# Altium PCB BPod Panel Due.PcbDoc (part 4 of 5)
Units mm, origin at the board's own origin, x right, y up, seen from the top; angles counter-clockwise.
Board outline 420 x 122 mm, 4 copper layers (Top Layer, Layer 2, Layer 3, Bottom Layer), stack 1.571 mm thick; 601 components, 454 nets, 1970 pads, 528 vias.
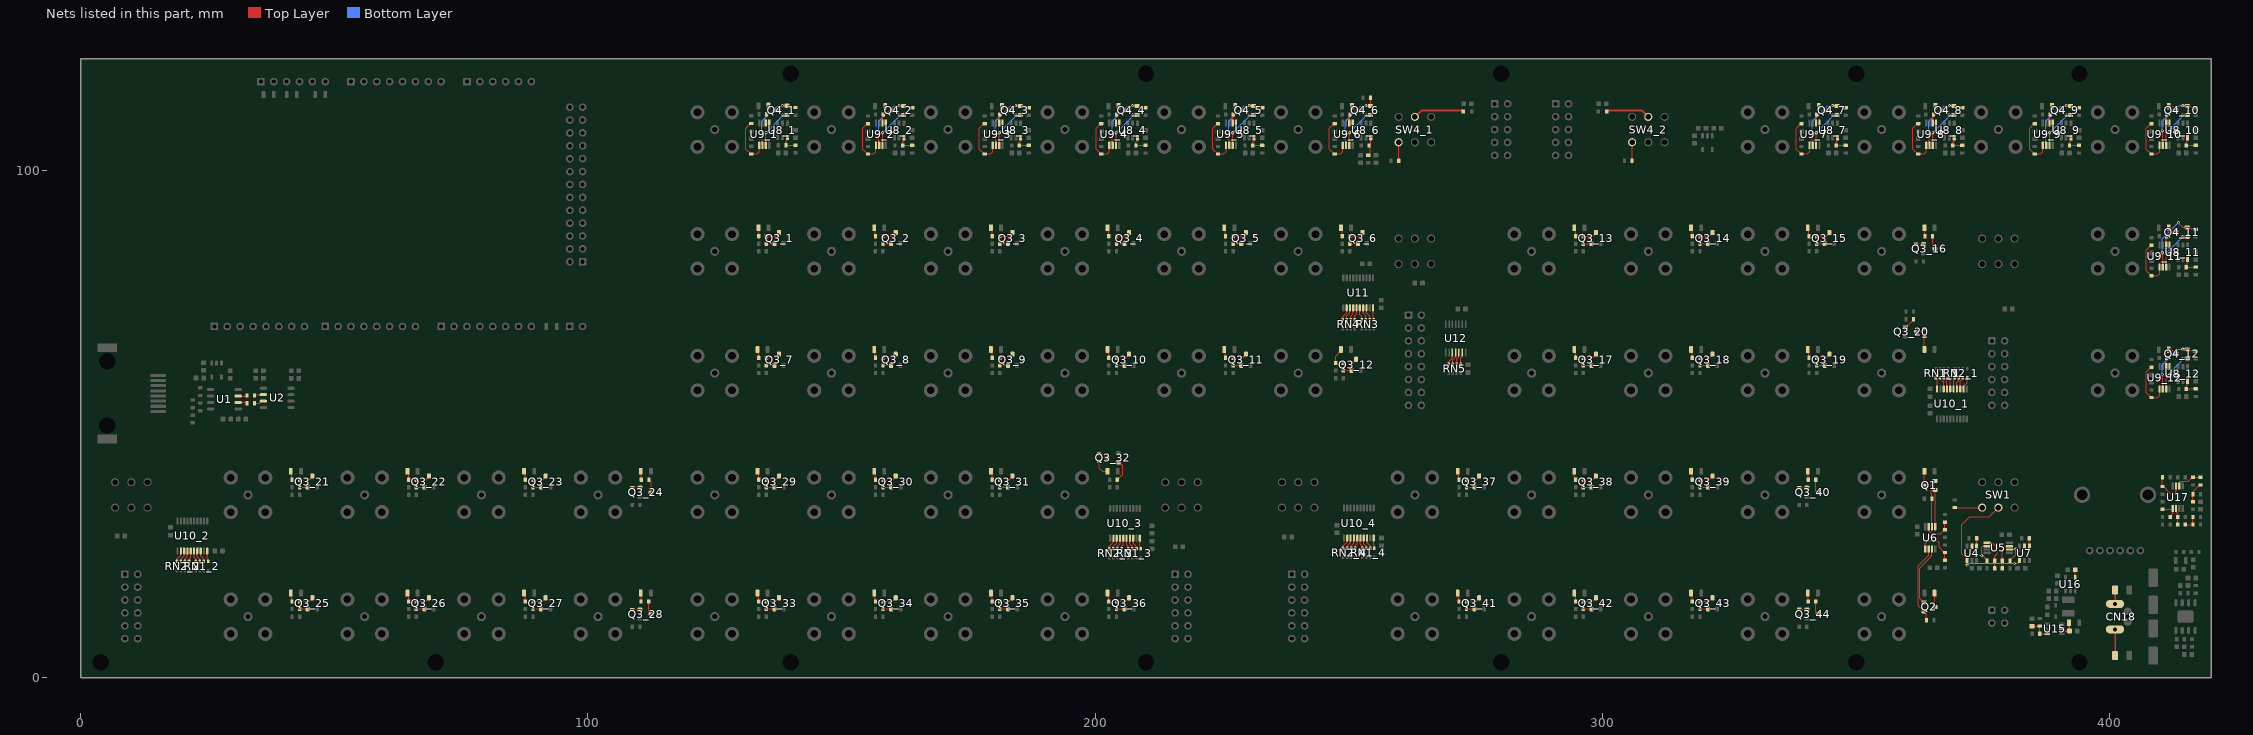
[diagram p6: the nets of this part, all layers, seen from the top]

## Via types
v1: diameter 0.61, hole 0.305, Top Layer to Bottom Layer, tented both sides, 522 vias
v2: diameter 0.5, hole 0.2, Top Layer to Bottom Layer, tented bottom, 6 vias

## Nets (pads, with @x,y where several pads share a name; then routed paths per layer and width w, separated by ;. In a path a pad name is that pad's centre, name@x,y a point inside that pad or via, vN(x,y) a via of type N, cw(c..) or ccw(c..) an arc to the next point about the centre after c; other vN are vias at no path point) (continued)
NetC44_1: C44.1 R39.1 R40.2 U15.3 | length 4.5
  Top Layer w0.152: C44.1@384.65,10.125 384.675,10.15 R39.1@386.15,10.15 R40.2@386.15,8.65 U15.3@387.658,8.65
NetC47_2: C47.2 U16.4 | length 1.5
  Top Layer w0.152: U16.4@393.15,19.75 C47.2@393.15,21.25
NetC48_2: C48.2 FB2.2 U15.5 | length 3.4
  Top Layer w0.305: U15.5@390.508,9.6 390.733,9.6 391.183,9.15 C48.2@392.025,9.15 391.947,9.228 391.947,10.778 FB2.2@391.925,10.8
NetCN18_2: CN18.2 R32.2 | length 5.2
  Top Layer w0.254: R32.2@401,4.325 CN18.2@401,9.5
NetCN18_3: CN18.3 R36.2 | length 2.8
  Top Layer w0.254: CN18.3@401,14.5 R36.2@401,17.275 R36.2@401,17.325
NetFB1_1_1: FB1_1.1 SW4_1.5 | length 10.1
  Top Layer w0.381: SW4_1.5@263,110.5 264.25,111.75 272.391,111.75 272.525,111.615 FB1_1.1@272.525,111.575
NetFB1_2_1: FB1_2.1 SW4_2.5 | length 8.8
  Top Layer w0.381: FB1_2.1@300.825,111.58 300.825,111.641 300.96,111.775 307.725,111.775 SW4_2.5@309,110.5
NetLED1_1: LED1.1 Q1.3 | length 2.8
  Top Layer w0.152: Q1.3@363.325,37.875 363.384,37.934 363.384,40.61 LED1.1@363.425,40.651
NetLED2_1: LED2.1 Q2.3 | length 2.8
  Top Layer w0.152: LED2.1@365.425,16.649 365.466,16.609 365.466,13.959 Q2.3@365.525,13.9
NetLED3_1_1: LED3_1.1 R21_1.2 | length 1.7
  Top Layer w0.152: LED3_1.1@133.6,88.65 133.656,88.594 133.656,87.019 R21_1.2@133.675,87
NetLED3_2_1: LED3_2.1 R21_2.2 | length 1.7
  Top Layer w0.152: LED3_2.1@156.6,88.65 156.656,88.594 156.656,87.019 R21_2.2@156.675,87
NetLED3_3_1: LED3_3.1 R21_3.2 | length 1.7
  Top Layer w0.152: LED3_3.1@179.6,88.65 179.656,88.594 179.656,87.019 R21_3.2@179.675,87
NetLED3_4_1: LED3_4.1 R21_4.2 | length 1.7
  Top Layer w0.152: LED3_4.1@202.6,88.65 202.656,88.594 202.656,87.019 R21_4.2@202.675,87
NetLED3_5_1: LED3_5.1 R21_5.2 | length 1.7
  Top Layer w0.152: LED3_5.1@225.6,88.65 225.656,88.594 225.656,87.019 R21_5.2@225.675,87
NetLED3_6_1: LED3_6.1 R21_6.2 | length 1.7
  Top Layer w0.152: LED3_6.1@248.6,88.65 248.656,88.594 248.656,87.019 R21_6.2@248.675,87
NetLED3_7_1: LED3_7.1 R21_7.2 | length 1.7
  Top Layer w0.152: LED3_7.1@133.6,64.65 133.656,64.594 133.656,63.019 R21_7.2@133.675,63
NetLED3_8_1: LED3_8.1 R21_8.2 | length 1.7
  Top Layer w0.152: LED3_8.1@156.6,64.65 156.656,64.594 156.656,63.019 R21_8.2@156.675,63
NetLED3_9_1: LED3_9.1 R21_9.2 | length 1.7
  Top Layer w0.152: LED3_9.1@179.6,64.65 179.656,64.594 179.656,63.019 R21_9.2@179.675,63
NetLED3_10_1: LED3_10.1 R21_10.2 | length 1.7
  Top Layer w0.152: LED3_10.1@202.6,64.65 202.656,64.594 202.656,63.019 R21_10.2@202.675,63
NetLED3_11_1: LED3_11.1 R21_11.2 | length 1.7
  Top Layer w0.152: LED3_11.1@225.6,64.65 225.656,64.594 225.656,63.019 R21_11.2@225.675,63
NetLED3_12_1: LED3_12.1 R21_12.2 | length 3.1
  Top Layer w0.152: R21_12.2@247.4,62 247.4,63.357 248.425,64.382 LED3_12.1@248.425,64.657
NetLED3_13_1: LED3_13.1 R21_13.2 | length 1.7
  Top Layer w0.152: LED3_13.1@294.6,88.65 294.656,88.594 294.656,87.019 R21_13.2@294.675,87
NetLED3_14_1: LED3_14.1 R21_14.2 | length 1.7
  Top Layer w0.152: LED3_14.1@317.6,88.65 317.656,88.594 317.656,87.019 R21_14.2@317.675,87
NetLED3_15_1: LED3_15.1 R21_15.2 | length 1.7
  Top Layer w0.152: LED3_15.1@340.6,88.65 340.656,88.594 340.656,87.019 R21_15.2@340.675,87
NetLED3_16_1: LED3_16.1 R21_16.2 | length 1.7
  Top Layer w0.152: LED3_16.1@363.425,88.651 363.494,88.582 363.494,87.031 R21_16.2@363.525,87
NetLED3_17_1: LED3_17.1 R21_17.2 | length 1.7
  Top Layer w0.152: LED3_17.1@294.6,64.65 294.656,64.594 294.656,63.019 R21_17.2@294.675,63
NetLED3_18_1: LED3_18.1 R21_18.2 | length 1.7
  Top Layer w0.152: LED3_18.1@317.6,64.65 317.656,64.594 317.656,63.019 R21_18.2@317.675,63
NetLED3_19_1: LED3_19.1 R21_19.2 | length 1.7
  Top Layer w0.152: LED3_19.1@340.6,64.65 340.656,64.594 340.656,63.019 R21_19.2@340.675,63
NetLED3_20_1: LED3_20.1 R21_20.2 | length 2.6
  Top Layer w0.152: LED3_20.1@363.425,64.655 R21_20.2@363.425,67.225
NetLED3_21_1: LED3_21.1 R21_21.2 | length 1.7
  Top Layer w0.152: LED3_21.1@41.6,40.65 41.656,40.594 41.656,39.019 R21_21.2@41.675,39
NetLED3_22_1: LED3_22.1 R21_22.2 | length 1.7
  Top Layer w0.152: LED3_22.1@64.6,40.65 64.656,40.594 64.656,39.019 R21_22.2@64.675,39
NetLED3_23_1: LED3_23.1 R21_23.2 | length 1.7
  Top Layer w0.152: LED3_23.1@87.6,40.65 87.656,40.594 87.656,39.019 R21_23.2@87.675,39
NetLED3_24_1: LED3_24.1 R21_24.2 | length 1.7
  Top Layer w0.152: LED3_24.1@110.425,40.651 110.494,40.582 110.494,39.031 R21_24.2@110.525,39
NetLED3_25_1: LED3_25.1 R21_25.2 | length 1.7
  Top Layer w0.152: LED3_25.1@41.6,16.65 41.656,16.594 41.656,15.019 R21_25.2@41.675,15
NetLED3_26_1: LED3_26.1 R21_26.2 | length 1.7
  Top Layer w0.152: LED3_26.1@64.6,16.65 64.656,16.594 64.656,15.019 R21_26.2@64.675,15
NetLED3_27_1: LED3_27.1 R21_27.2 | length 1.7
  Top Layer w0.152: LED3_27.1@87.6,16.65 87.656,16.594 87.656,15.019 R21_27.2@87.675,15
NetLED3_28_1: LED3_28.1 R21_28.2 | length 1.7
  Top Layer w0.152: LED3_28.1@110.425,16.651 110.494,16.582 110.494,15.031 R21_28.2@110.525,15
NetLED3_29_1: LED3_29.1 R21_29.2 | length 1.7
  Top Layer w0.152: LED3_29.1@133.6,40.65 133.656,40.594 133.656,39.019 R21_29.2@133.675,39
NetLED3_30_1: LED3_30.1 R21_30.2 | length 1.7
  Top Layer w0.152: LED3_30.1@156.6,40.65 156.656,40.594 156.656,39.019 R21_30.2@156.675,39
NetLED3_31_1: LED3_31.1 R21_31.2 | length 1.7
  Top Layer w0.152: LED3_31.1@179.6,40.65 179.656,40.594 179.656,39.019 R21_31.2@179.675,39
NetLED3_32_1: LED3_32.1 R21_32.2 | length 3.3
  Top Layer w0.152: R21_32.2@200.8,42.625 200.8,41.225 201.372,40.653 LED3_32.1@202.425,40.653
NetLED3_33_1: LED3_33.1 R21_33.2 | length 1.7
  Top Layer w0.152: LED3_33.1@133.6,16.65 133.656,16.594 133.656,15.019 R21_33.2@133.675,15
NetLED3_34_1: LED3_34.1 R21_34.2 | length 1.7
  Top Layer w0.152: LED3_34.1@156.6,16.65 156.656,16.594 156.656,15.019 R21_34.2@156.675,15
NetLED3_35_1: LED3_35.1 R21_35.2 | length 1.7
  Top Layer w0.152: LED3_35.1@179.6,16.65 179.656,16.594 179.656,15.019 R21_35.2@179.675,15
NetLED3_36_1: LED3_36.1 R21_36.2 | length 1.7
  Top Layer w0.152: LED3_36.1@202.6,16.65 202.656,16.594 202.656,15.019 R21_36.2@202.675,15
NetLED3_37_1: LED3_37.1 R21_37.2 | length 1.7
  Top Layer w0.152: LED3_37.1@271.6,40.65 271.656,40.594 271.656,39.019 R21_37.2@271.675,39
NetLED3_38_1: LED3_38.1 R21_38.2 | length 1.8
  Top Layer w0.152: LED3_38.1@294.425,40.651 294.425,39.353 294.675,39.103 R21_38.2@294.675,39
NetLED3_39_1: LED3_39.1 R21_39.2 | length 1.7
  Top Layer w0.152: LED3_39.1@317.6,40.65 317.656,40.594 317.656,39.019 R21_39.2@317.675,39
NetLED3_40_1: LED3_40.1 R21_40.2 | length 1.7
  Top Layer w0.152: LED3_40.1@340.425,40.651 340.494,40.582 340.494,39.031 R21_40.2@340.525,39
NetLED3_41_1: LED3_41.1 R21_41.2 | length 1.7
  Top Layer w0.152: LED3_41.1@271.6,16.65 271.656,16.594 271.656,15.019 R21_41.2@271.675,15
NetLED3_42_1: LED3_42.1 R21_42.2 | length 1.7
  Top Layer w0.152: LED3_42.1@294.6,16.65 294.656,16.594 294.656,15.019 R21_42.2@294.675,15
NetLED3_43_1: LED3_43.1 R21_43.2 | length 1.8
  Top Layer w0.152: R21_43.2@317.525,14.951 R21_43.2@317.594,14.882 ; LED3_43.1@317.6,16.65 317.656,16.594 317.656,15.019 R21_43.2@317.675,15
NetLED3_44_1: LED3_44.1 R21_44.2 | length 1.6
  Top Layer w0.152: LED3_44.1@340.494,16.682 340.494,15.131 R21_44.2@340.525,15.1
NetLED4_1_1: LED4_1.1 Q4_1.3 | length 1.8
  Top Layer w0.152: LED4_1.1@135.6,112.65 136.175,112.65 136.678,112.147 136.678,112.114 136.992,111.8 Q4_1.3@137.025,111.8
NetLED4_2_1: LED4_2.1 Q4_2.3 | length 1.8
  Top Layer w0.152: LED4_2.1@158.6,112.65 159.175,112.65 159.678,112.147 159.678,112.114 159.992,111.8 Q4_2.3@160.025,111.8
NetLED4_3_1: LED4_3.1 Q4_3.3 | length 1.8
  Top Layer w0.152: LED4_3.1@181.6,112.65 182.175,112.65 182.678,112.147 182.678,112.114 182.992,111.8 Q4_3.3@183.025,111.8
NetLED4_4_1: LED4_4.1 Q4_4.3 | length 1.8
  Top Layer w0.152: LED4_4.1@204.6,112.65 205.175,112.65 205.678,112.147 205.678,112.114 205.992,111.8 Q4_4.3@206.025,111.8
NetLED4_5_1: LED4_5.1 Q4_5.3 | length 1.8
  Top Layer w0.152: LED4_5.1@227.6,112.65 228.175,112.65 228.678,112.147 228.678,112.114 228.992,111.8 Q4_5.3@229.025,111.8
NetLED4_6_1: LED4_6.1 Q4_6.3 | length 1.8
  Top Layer w0.152: LED4_6.1@250.6,112.65 251.175,112.65 251.678,112.147 251.678,112.114 251.992,111.8 Q4_6.3@252.025,111.8
NetLED4_7_1: LED4_7.1 Q4_7.3 | length 1.8
  Top Layer w0.152: LED4_7.1@342.6,112.65 343.175,112.65 343.678,112.147 343.678,112.114 343.992,111.8 Q4_7.3@344.025,111.8
NetLED4_8_1: LED4_8.1 Q4_8.3 | length 1.8
  Top Layer w0.152: LED4_8.1@365.6,112.65 366.175,112.65 366.678,112.147 366.678,112.114 366.992,111.8 Q4_8.3@367.025,111.8
NetLED4_9_1: LED4_9.1 Q4_9.3 | length 1.8
  Top Layer w0.152: LED4_9.1@388.6,112.65 389.175,112.65 389.678,112.147 389.678,112.114 389.992,111.8 Q4_9.3@390.025,111.8
NetLED4_10_1: LED4_10.1 Q4_10.3 | length 1.8
  Top Layer w0.152: LED4_10.1@411.6,112.65 412.175,112.65 412.678,112.147 412.678,112.114 412.992,111.8 Q4_10.3@413.025,111.8
NetLED4_11_1: LED4_11.1 Q4_11.3 | length 1.8
  Top Layer w0.152: LED4_11.1@411.6,88.65 412.175,88.65 412.678,88.147 412.678,88.114 412.992,87.8 Q4_11.3@413.025,87.8
NetLED4_12_1: LED4_12.1 Q4_12.3 | length 1.8
  Top Layer w0.152: LED4_12.1@411.6,64.65 412.175,64.65 412.678,64.147 412.678,64.114 412.992,63.8 Q4_12.3@413.025,63.8
NetQ1_1: Q1.1 U6.1 | length 7.2
  Top Layer w0.152: U6.1@365.563,29.725 Q1.1@365.563,36.97
NetQ1_2: Q1.2 R13.2 U6.2 | length 9.5
  Top Layer w0.152: U6.2@364.913,29.725 364.913,35.987 364.75,36.15 364.75,38 365.178,38.428 365.178,38.461 365.492,38.775 Q1.2@365.525,38.775
NetQ2_1: Q2.1 U6.7 | length 11.9
  Top Layer w0.152: Q2.1@363.325,14.8 363.292,14.8 362.978,15.114 362.978,15.147 362.475,15.65 362.475,21.525 364.913,23.963 U6.7@364.913,25.325
NetQ2_2: Q2.2 R16.2 U6.6 | length 15.6
  Top Layer w0.152: R16.2@363.825,11.275 363.825,12.5 363.672,12.653 363.672,12.686 363.358,13 Q2.2@363.325,13 363.292,13 362.196,14.096 362.196,21.996 364.263,24.063 U6.6@364.263,25.325
NetQ3_1_1: Q3_1.1 R22_1.1 | length 1.6
  Top Layer w0.152: R22_1.1@135.175,85.5 135.2,85.525 Q3_1.1@136.775,85.525
NetQ3_1_3: Q3_1.3 R21_1.1 | length 2.9
  Top Layer w0.152: R21_1.1@135.175,87 137.05,87 137.675,87.625 Q3_1.3@137.675,87.725
NetQ3_2_1: Q3_2.1 R22_2.1 | length 1.6
  Top Layer w0.152: R22_2.1@158.175,85.5 158.2,85.525 Q3_2.1@159.775,85.525
NetQ3_2_3: Q3_2.3 R21_2.1 | length 2.9
  Top Layer w0.152: R21_2.1@158.175,87 160.05,87 160.675,87.625 Q3_2.3@160.675,87.725
NetQ3_3_1: Q3_3.1 R22_3.1 | length 1.6
  Top Layer w0.152: R22_3.1@181.175,85.5 181.2,85.525 Q3_3.1@182.775,85.525
NetQ3_3_3: Q3_3.3 R21_3.1 | length 2.9
  Top Layer w0.152: R21_3.1@181.175,87 183.05,87 183.675,87.625 Q3_3.3@183.675,87.725
NetQ3_4_1: Q3_4.1 R22_4.1 | length 1.6
  Top Layer w0.152: R22_4.1@204.175,85.5 204.2,85.525 Q3_4.1@205.775,85.525
NetQ3_4_3: Q3_4.3 R21_4.1 | length 2.9
  Top Layer w0.152: R21_4.1@204.175,87 206.05,87 206.675,87.625 Q3_4.3@206.675,87.725
NetQ3_5_1: Q3_5.1 R22_5.1 | length 1.6
  Top Layer w0.152: R22_5.1@227.175,85.5 227.2,85.525 Q3_5.1@228.775,85.525
NetQ3_5_3: Q3_5.3 R21_5.1 | length 2.9
  Top Layer w0.152: R21_5.1@227.175,87 229.05,87 229.675,87.625 Q3_5.3@229.675,87.725
NetQ3_6_1: Q3_6.1 R22_6.1 | length 1.6
  Top Layer w0.152: R22_6.1@250.175,85.5 250.2,85.525 Q3_6.1@251.775,85.525
NetQ3_6_3: Q3_6.3 R21_6.1 | length 2.9
  Top Layer w0.152: R21_6.1@250.175,87 252.05,87 252.675,87.625 Q3_6.3@252.675,87.725
NetQ3_7_1: Q3_7.1 R22_7.1 | length 1.6
  Top Layer w0.152: R22_7.1@135.175,61.5 135.2,61.525 Q3_7.1@136.775,61.525
NetQ3_7_3: Q3_7.3 R21_7.1 | length 2.9
  Top Layer w0.152: R21_7.1@135.175,63 137.05,63 137.675,63.625 Q3_7.3@137.675,63.725
NetQ3_8_1: Q3_8.1 R22_8.1 | length 1.6
  Top Layer w0.152: R22_8.1@158.175,61.5 158.2,61.525 Q3_8.1@159.775,61.525
NetQ3_8_3: Q3_8.3 R21_8.1 | length 2.9
  Top Layer w0.152: R21_8.1@158.175,63 160.05,63 160.675,63.625 Q3_8.3@160.675,63.725
NetQ3_9_1: Q3_9.1 R22_9.1 | length 1.6
  Top Layer w0.152: R22_9.1@181.175,61.5 181.2,61.525 Q3_9.1@182.775,61.525
NetQ3_9_3: Q3_9.3 R21_9.1 | length 2.9
  Top Layer w0.152: R21_9.1@181.175,63 183.05,63 183.675,63.625 Q3_9.3@183.675,63.725
NetQ3_10_1: Q3_10.1 R22_10.1 | length 1.6
  Top Layer w0.152: R22_10.1@204.175,61.5 204.2,61.525 Q3_10.1@205.775,61.525
NetQ3_10_3: Q3_10.3 R21_10.1 | length 2.9
  Top Layer w0.152: R21_10.1@204.175,63 206.05,63 206.675,63.625 Q3_10.3@206.675,63.725
NetQ3_11_1: Q3_11.1 R22_11.1 | length 1.6
  Top Layer w0.152: R22_11.1@227.175,61.5 227.2,61.525 Q3_11.1@228.775,61.525
NetQ3_11_3: Q3_11.3 R21_11.1 | length 2.9
  Top Layer w0.152: R21_11.1@227.175,63 229.05,63 229.675,63.625 Q3_11.3@229.675,63.725
NetQ3_12_1: Q3_12.1 R22_12.1 | length 1.6
  Top Layer w0.152: R22_12.1@248.9,60.5 248.925,60.525 Q3_12.1@250.5,60.525
NetQ3_12_3: Q3_12.3 R21_12.1 | length 2.9
  Top Layer w0.152: R21_12.1@248.9,62 250.775,62 251.4,62.625 Q3_12.3@251.4,62.725
NetQ3_13_1: Q3_13.1 R22_13.1 | length 1.6
  Top Layer w0.152: R22_13.1@296.175,85.5 296.2,85.525 Q3_13.1@297.775,85.525
NetQ3_13_3: Q3_13.3 R21_13.1 | length 2.9
  Top Layer w0.152: R21_13.1@296.175,87 298.05,87 298.675,87.625 Q3_13.3@298.675,87.725
NetQ3_14_1: Q3_14.1 R22_14.1 | length 1.6
  Top Layer w0.152: R22_14.1@319.175,85.5 319.2,85.525 Q3_14.1@320.775,85.525
NetQ3_14_3: Q3_14.3 R21_14.1 | length 2.9
  Top Layer w0.152: R21_14.1@319.175,87 321.05,87 321.675,87.625 Q3_14.3@321.675,87.725
NetQ3_15_1: Q3_15.1 R22_15.1 | length 1.6
  Top Layer w0.152: R22_15.1@342.175,85.5 342.2,85.525 Q3_15.1@343.775,85.525
NetQ3_15_3: Q3_15.3 R21_15.1 | length 2.9
  Top Layer w0.152: R21_15.1@342.175,87 344.05,87 344.675,87.625 Q3_15.3@344.675,87.725
NetQ3_16_1: Q3_16.1 R22_16.1 | length 1.5
  Top Layer w0.152: R22_16.1@361.75,85.4 Q3_16.1@363.275,85.4
NetQ3_16_3: Q3_16.3 R21_16.1 | length 2.7
  Top Layer w0.152: R21_16.1@365.025,87 365.025,84.917 365.442,84.5 Q3_16.3@365.475,84.5
NetQ3_17_1: Q3_17.1 R22_17.1 | length 1.6
  Top Layer w0.152: R22_17.1@296.175,61.5 296.2,61.525 Q3_17.1@297.775,61.525
NetQ3_17_3: Q3_17.3 R21_17.1 | length 2.9
  Top Layer w0.152: R21_17.1@296.175,63 298.05,63 298.675,63.625 Q3_17.3@298.675,63.725
NetQ3_18_1: Q3_18.1 R22_18.1 | length 1.6
  Top Layer w0.152: R22_18.1@319.175,61.5 319.2,61.525 Q3_18.1@320.775,61.525
NetQ3_18_3: Q3_18.3 R21_18.1 | length 2.9
  Top Layer w0.152: R21_18.1@319.175,63 321.05,63 321.675,63.625 Q3_18.3@321.675,63.725
NetQ3_19_1: Q3_19.1 R22_19.1 | length 1.6
  Top Layer w0.152: R22_19.1@342.175,61.5 342.2,61.525 Q3_19.1@343.775,61.525
NetQ3_19_3: Q3_19.3 R21_19.1 | length 2.9
  Top Layer w0.152: R21_19.1@342.175,63 344.05,63 344.675,63.625 Q3_19.3@344.675,63.725
NetQ3_20_1: Q3_20.1 R22_20.1 | length 2.3
  Top Layer w0.152: Q3_20.1@359.7,69.025 359.778,69.025 361.275,70.522 R22_20.1@361.275,70.625
NetQ3_20_3: Q3_20.3 R21_20.1 | length 1.8
  Top Layer w0.152: Q3_20.3@361.9,68.125 362.725,68.125 363.325,68.725 R21_20.1@363.425,68.725
NetQ3_21_1: Q3_21.1 R22_21.1 | length 1.6
  Top Layer w0.152: R22_21.1@43.175,37.5 43.2,37.525 Q3_21.1@44.775,37.525
NetQ3_21_3: Q3_21.3 R21_21.1 | length 2.9
  Top Layer w0.152: R21_21.1@43.175,39 45.05,39 45.675,39.625 Q3_21.3@45.675,39.725
NetQ3_22_1: Q3_22.1 R22_22.1 | length 1.6
  Top Layer w0.152: R22_22.1@66.175,37.5 66.2,37.525 Q3_22.1@67.775,37.525
NetQ3_22_3: Q3_22.3 R21_22.1 | length 2.9
  Top Layer w0.152: R21_22.1@66.175,39 68.05,39 68.675,39.625 Q3_22.3@68.675,39.725
NetQ3_23_1: Q3_23.1 R22_23.1 | length 1.6
  Top Layer w0.152: R22_23.1@89.175,37.5 89.2,37.525 Q3_23.1@90.775,37.525
NetQ3_23_3: Q3_23.3 R21_23.1 | length 2.9
  Top Layer w0.152: R21_23.1@89.175,39 91.05,39 91.675,39.625 Q3_23.3@91.675,39.725
NetQ3_24_1: Q3_24.1 R22_24.1 | length 1.5
  Top Layer w0.152: R22_24.1@108.75,37.4 Q3_24.1@110.275,37.4
NetQ3_24_3: Q3_24.3 R21_24.1 | length 2.7
  Top Layer w0.152: R21_24.1@112.025,39 112.025,38.903 112.475,38.453 Q3_24.3@112.475,36.5
NetQ3_25_1: Q3_25.1 R22_25.1 | length 1.6
  Top Layer w0.152: R22_25.1@43.175,13.5 43.2,13.525 Q3_25.1@44.775,13.525
NetQ3_25_3: Q3_25.3 R21_25.1 | length 2.9
  Top Layer w0.152: R21_25.1@43.175,15 45.05,15 45.675,15.625 Q3_25.3@45.675,15.725
NetQ3_26_1: Q3_26.1 R22_26.1 | length 1.6
  Top Layer w0.152: R22_26.1@66.175,13.5 66.2,13.525 Q3_26.1@67.775,13.525
NetQ3_26_3: Q3_26.3 R21_26.1 | length 2.9
  Top Layer w0.152: R21_26.1@66.175,15 68.05,15 68.675,15.625 Q3_26.3@68.675,15.725
NetQ3_27_1: Q3_27.1 R22_27.1 | length 1.6
  Top Layer w0.152: R22_27.1@89.175,13.5 89.2,13.525 Q3_27.1@90.775,13.525
NetQ3_27_3: Q3_27.3 R21_27.1 | length 2.9
  Top Layer w0.152: R21_27.1@89.175,15 91.05,15 91.675,15.625 Q3_27.3@91.675,15.725
NetQ3_28_1: Q3_28.1 R22_28.1 | length 1.5
  Top Layer w0.152: R22_28.1@108.75,13.4 Q3_28.1@110.275,13.4
NetQ3_28_3: Q3_28.3 R21_28.1 | length 2.7
  Top Layer w0.152: R21_28.1@112.025,15 112.025,12.917 112.442,12.5 Q3_28.3@112.475,12.5
NetQ3_29_1: Q3_29.1 R22_29.1 | length 1.6
  Top Layer w0.152: R22_29.1@135.175,37.5 135.2,37.525 Q3_29.1@136.775,37.525
NetQ3_29_3: Q3_29.3 R21_29.1 | length 2.9
  Top Layer w0.152: R21_29.1@135.175,39 137.05,39 137.675,39.625 Q3_29.3@137.675,39.725
NetQ3_30_1: Q3_30.1 R22_30.1 | length 1.6
  Top Layer w0.152: R22_30.1@158.175,37.5 158.2,37.525 Q3_30.1@159.775,37.525
NetQ3_30_3: Q3_30.3 R21_30.1 | length 2.9
  Top Layer w0.152: R21_30.1@158.175,39 160.05,39 160.675,39.625 Q3_30.3@160.675,39.725
NetQ3_31_1: Q3_31.1 R22_31.1 | length 1.6
  Top Layer w0.152: R22_31.1@181.175,37.5 181.2,37.525 Q3_31.1@182.775,37.525
NetQ3_31_3: Q3_31.3 R21_31.1 | length 2.9
  Top Layer w0.152: R21_31.1@181.175,39 183.05,39 183.675,39.625 Q3_31.3@183.675,39.725
NetQ3_32_1: Q3_32.1 R22_32.1 | length 4.7
  Top Layer w0.152: R22_32.1@204.35,38.9 204.35,39 205.425,40.075 205.425,41.725 204.997,42.153 204.939,42.153 204.525,42.567 204.525,42.625 Q3_32.1@204.425,42.625
NetQ3_32_3: Q3_32.3 R21_32.1 | length 1.9
  Top Layer w0.152: R21_32.1@200.8,44.125 201.454,44.125 202.279,43.3 Q3_32.3@202.325,43.3
NetQ3_33_1: Q3_33.1 R22_33.1 | length 1.6
  Top Layer w0.152: R22_33.1@135.175,13.5 135.2,13.525 Q3_33.1@136.775,13.525
NetQ3_33_3: Q3_33.3 R21_33.1 | length 2.9
  Top Layer w0.152: R21_33.1@135.175,15 137.05,15 137.675,15.625 Q3_33.3@137.675,15.725
NetQ3_34_1: Q3_34.1 R22_34.1 | length 1.6
  Top Layer w0.152: R22_34.1@158.175,13.5 158.2,13.525 Q3_34.1@159.775,13.525
NetQ3_34_3: Q3_34.3 R21_34.1 | length 2.9
  Top Layer w0.152: R21_34.1@158.175,15 160.05,15 160.675,15.625 Q3_34.3@160.675,15.725
NetQ3_35_1: Q3_35.1 R22_35.1 | length 1.6
  Top Layer w0.152: R22_35.1@181.175,13.5 181.2,13.525 Q3_35.1@182.775,13.525
NetQ3_35_3: Q3_35.3 R21_35.1 | length 2.9
  Top Layer w0.152: R21_35.1@181.175,15 183.05,15 183.675,15.625 Q3_35.3@183.675,15.725
NetQ3_36_1: Q3_36.1 R22_36.1 | length 1.6
  Top Layer w0.152: R22_36.1@204.175,13.5 204.2,13.525 Q3_36.1@205.775,13.525
NetQ3_36_3: Q3_36.3 R21_36.1 | length 2.9
  Top Layer w0.152: R21_36.1@204.175,15 206.05,15 206.675,15.625 Q3_36.3@206.675,15.725
NetQ3_37_1: Q3_37.1 R22_37.1 | length 1.6
  Top Layer w0.152: R22_37.1@273.175,37.5 273.2,37.525 Q3_37.1@274.775,37.525
NetQ3_37_3: Q3_37.3 R21_37.1 | length 2.9
  Top Layer w0.152: R21_37.1@273.175,39 275.05,39 275.675,39.625 Q3_37.3@275.675,39.725
NetQ3_38_1: Q3_38.1 R22_38.1 | length 1.6
  Top Layer w0.152: R22_38.1@296.175,37.5 296.2,37.525 Q3_38.1@297.775,37.525
NetQ3_38_3: Q3_38.3 R21_38.1 | length 2.9
  Top Layer w0.152: R21_38.1@296.175,39 298.05,39 298.675,39.625 Q3_38.3@298.675,39.725
NetQ3_39_1: Q3_39.1 R22_39.1 | length 1.6
  Top Layer w0.152: R22_39.1@319.175,37.5 319.2,37.525 Q3_39.1@320.775,37.525
NetQ3_39_3: Q3_39.3 R21_39.1 | length 2.9
  Top Layer w0.152: R21_39.1@319.175,39 321.05,39 321.675,39.625 Q3_39.3@321.675,39.725
NetQ3_40_1: Q3_40.1 R22_40.1 | length 1.5
  Top Layer w0.152: R22_40.1@338.75,37.4 Q3_40.1@340.275,37.4
NetQ3_40_3: Q3_40.3 R21_40.1 | length 2.7
  Top Layer w0.152: R21_40.1@342.025,39 342.025,36.917 342.442,36.5 Q3_40.3@342.475,36.5
NetQ3_41_1: Q3_41.1 R22_41.1 | length 1.6
  Top Layer w0.152: R22_41.1@273.175,13.5 273.2,13.525 Q3_41.1@274.775,13.525
NetQ3_41_3: Q3_41.3 R21_41.1 | length 2.9
  Top Layer w0.152: R21_41.1@273.175,15 275.05,15 275.675,15.625 Q3_41.3@275.675,15.725
NetQ3_42_1: Q3_42.1 R22_42.1 | length 1.6
  Top Layer w0.152: R22_42.1@296.175,13.5 296.2,13.525 Q3_42.1@297.775,13.525
NetQ3_42_3: Q3_42.3 R21_42.1 | length 2.9